# Altium PCB BGA_ACUity.PcbDoc (part 5 of 6)
Units mm, origin at the board's own origin, x right, y up, seen from the top; angles counter-clockwise.
Board outline 100 x 100.02 mm, 4 copper layers (TopSignal, Ground, Power, BottomSignal), stack 1.564 mm thick; 445 components, 325 nets, 2065 pads, 376 vias.
Unrouted connection lines stored in the file: 419.
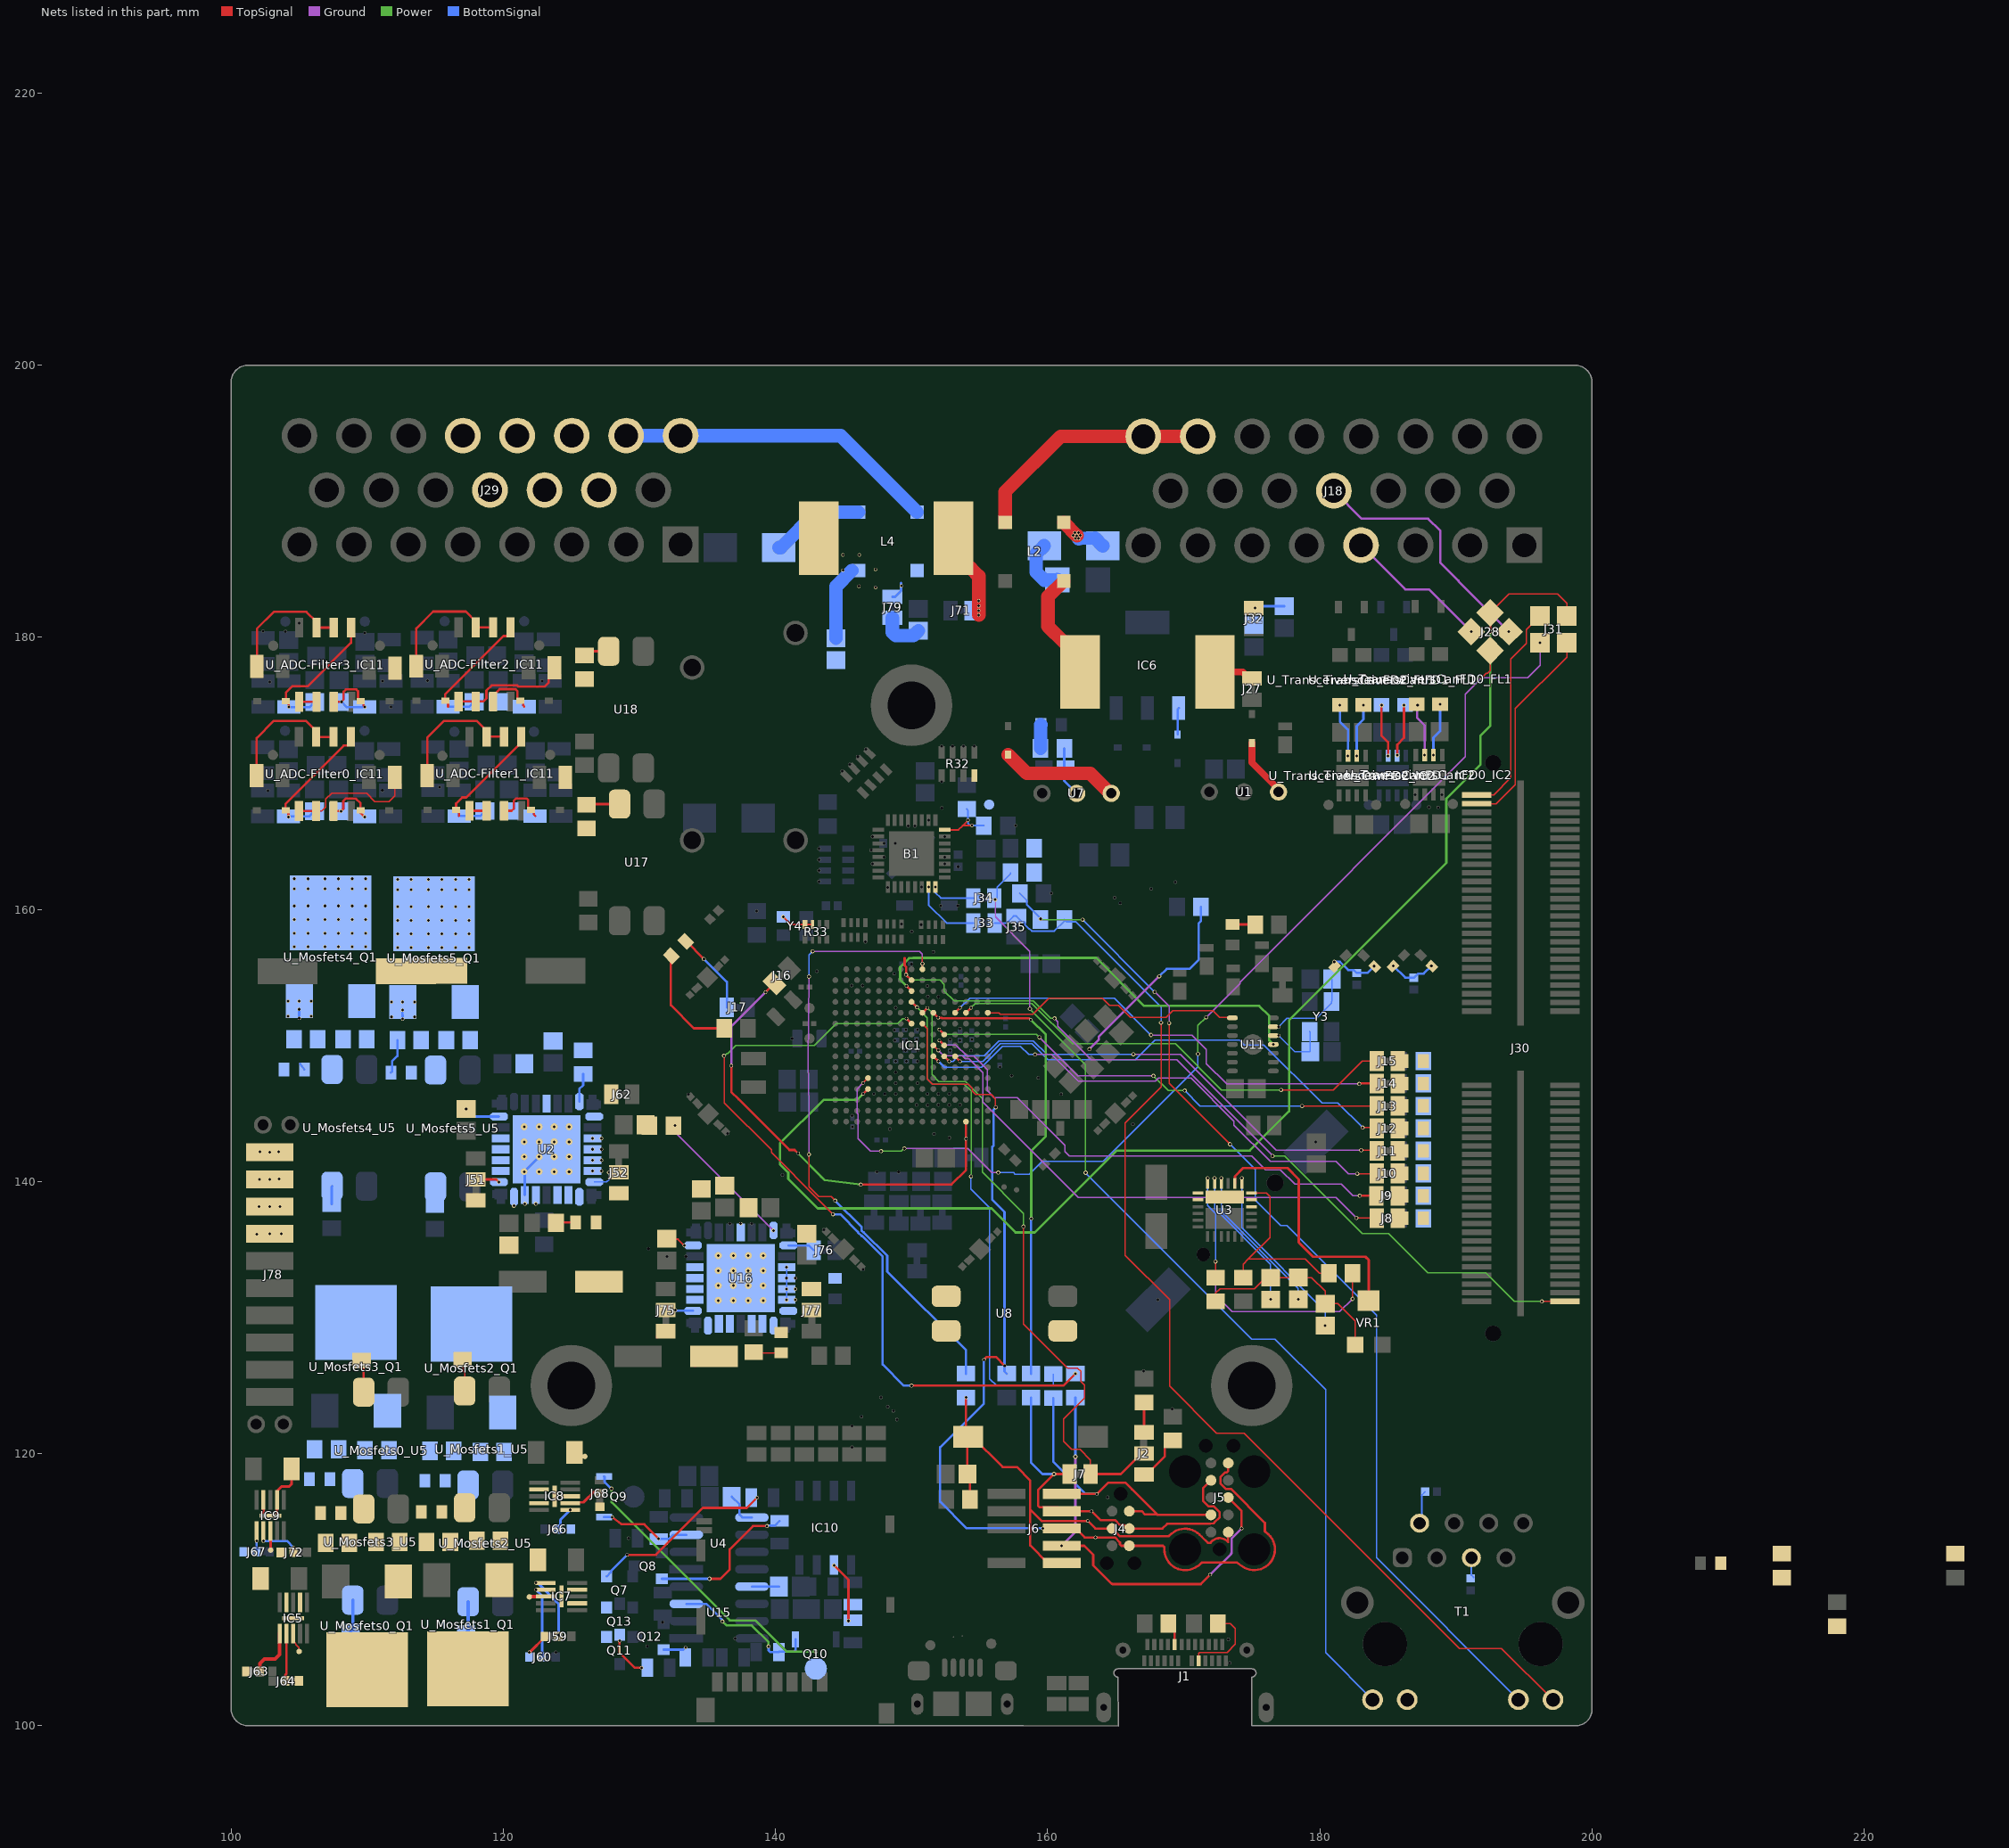
[diagram p7: the nets of this part, all layers, seen from the top]

## Via types
v1: diameter 0.3, hole 0.2, TopSignal to BottomSignal, tented both sides, 223 vias
v2: diameter 0.25/0.25/0.25/0.25 (per signal layer), hole 0.2, TopSignal to BottomSignal, tented both sides, 63 vias
v3: diameter 0.5, hole 0.2, TopSignal to BottomSignal, 32 vias
v4: diameter 0.5, hole 0.3, TopSignal to BottomSignal, 24 vias
v5: diameter 0.3, hole 0.2, TopSignal to BottomSignal, 15 vias
v6: diameter 0.3/0.3/0.3/0.3 (per signal layer), hole 0.2, TopSignal to BottomSignal, tented both sides, 11 vias
v7: diameter 0.6, hole 0.3, TopSignal to BottomSignal, 8 vias

## Nets (pads, with @x,y where several pads share a name; then routed paths per layer and width w, separated by ;. In a path a pad name is that pad's centre, name@x,y a point inside that pad or via, vN(x,y) a via of type N, cw(c..) or ccw(c..) an arc to the next point about the centre after c; other vN are vias at no path point) (continued)
IRQ1: IC1.E15 U11.8 | length 19.5
  TopSignal w0.09: IC1.E15@155.6,152.4 156.413,152.4 156.523,152.289 158.917,152.289 160.091,153.463 164.021,153.463 164.544,152.939 165.208,152.939 166.081,152.066 168.705,152.066 169.186,152.548 172.152,152.548 172.635,152.065 173.535,152.065 U11.8@173.575,152.025
IRQ2: IC1.C8 pad.1@149.632,154.368 U11.4 | length 33.5
  TopSignal w0.171: pad.1@149.632,154.368 IC1.C8@150,154
  Power w0.171: pad.1@149.632,154.368 149.165,154.835 149.165,155.763 149.82,156.418 150.11,156.418 150.127,156.435 163.565,156.435 167.092,152.908 175.548,152.908 176.278,152.178 176.278,150.372 v5(176.575,150.075)
IRQ_NMI: IC1.B8 J30.02 | length 60.7
  TopSignal w0.09: v1(196.31,131.191) J30.02@197.993,131.191
  TopSignal w0.171: 149.49,156.427 149.49,155.876 149.6,155.766 v1(149.6,155.2) IC1.B8@150,154.8
  Ground w0.09: v1(160.51,151.986) 160.754,151.743 160.754,151.412 163.207,148.959 169.483,148.959 175.285,143.156 176.531,141.91 v1(176.531,141.876)
  Power w0.09: v1(149.6,155.2) 150,154.8 152.099,154.8 152.4,154.499 152.4,154 153.129,153.271 158.938,153.271 160.223,151.986 v1(160.51,151.986) ; v1(176.531,141.876) 177.431,141.876 183.134,136.172 185.063,136.172 187.936,133.299 191.332,133.299 191.336,133.296 191.696,133.296 191.7,133.299 192.189,133.299 194.297,131.191 v1(196.31,131.191)
JTAG_EXT_RST: IC1.A9 R7.1 | length 46.2
  TopSignal w0.09: v1(142.459,141.991) 142.459,139.629 143.082,139.006 143.192,138.896 144.089,138.896 v1(144.393,138.592) ; IC1.A9@150.8,155.6 v1(150.8,156) 150.8,156.5
  Ground w0.09: v1(142.459,141.991) 142.459,145.519 142.399,148.834 cw(c142.794,148.841) 142.399,148.844 v6(142.464,155.057) ; v6(142.732,156.915) 150.595,156.915 150.791,156.72 150.791,156.445 150.8,156.435 v1(150.8,156)
  BottomSignal w0.09: v6(142.464,155.057) 142.464,156.647 v6(142.732,156.915)
  BottomSignal w0.171: v1(144.393,138.592) 146.338,136.647 146.338,136.373 146.448,136.263 146.491,136.263 148.217,134.537 148.217,133.389 154,127.606 R7.1@154,125.875
JTAG_EXT_RST_NET_2: C1.2 J4.3 J5.10 J6.10 pad.1@154,124.125 pad.1@162.943,115.057 R5.1 R7.2 S1.1 | length 37.9
  TopSignal w0.171: pad.1@154,124.125 154,121.41 S1.1@154.16,121.25 ; R5.1@154.291,116.637 154.291,118.314 C1.2@154.105,118.5 154.105,121.195 S1.1@154.16,121.25 ; J6.10@161.035,111.96 160.01,111.96 158.725,113.245 158.725,115.895 ; 171.924,113.438 cw(c171.863,113.598) 171.744,113.476 171.325,113.887 171.161,114.048 ccw(c170.095,112.96) 169.124,114.133 168.914,113.959 cw(c168.805,114.09) 168.805,113.92 165.31,113.92 J4.3@164.73,114.5 163.5,114.5 pad.1@162.943,115.057 159.563,115.057 158.725,115.895 ; 171.968,113.455 cw(c172.635,112.96) 173.268,113.498 173.27,113.5 J5.10@173.27,114.23 ; S1.1@154.16,121.25 154.45,121.25 156.682,119.018 157.732,119.018 158.725,118.025 158.725,115.895
JTAG_EXT_TCK: IC1.E10 pad.1@151.962,152.032 pad.1@158.795,137.278 R8.1 | length 34.3
  TopSignal w0.171: IC1.E10@151.6,152.4 151.594,152.4 151.977,152.017 152.218,152.017 152.234,152 158.626,152 158.731,151.894 v2(158.753,151.894)
  Power w0.171: v2(158.753,151.894) 159.86,150.787 159.86,143.325 158.795,142.26 pad.1@158.795,137.278
  BottomSignal w0.171: R8.1@158.786,125.875 158.786,137.247 pad.1@158.795,137.278
JTAG_EXT_TCK_NET_2: J4.4 J5.4 J6.04 J7.P1 pad.1@163.228,115.768 R8.2 | length 29.4
  TopSignal w0.171: J7.P1@161.598,118.5 v1(160.466,118.5) 159.309,117.343 159.309,116.155 159.409,116.055 160.75,116.055 J6.04@161.035,115.77 163.209,115.77 pad.1@163.228,115.768 163.23,115.77 163.887,115.113 164.938,115.113 165.31,114.74 165.635,114.74 ; J4.4@166,114.5 165.875,114.5 165.635,114.74 ; J5.4@172,118.04 171.42,117.46 171.42,116.53 171.814,116.135 172.186,116.135 172.643,115.678 172.643,115.322 172.24,114.92 172.213,114.893 171.937,114.838 168.772,114.838 168.434,114.5 166.285,114.5 166.044,114.74 166,114.74 165.899,114.639 165.736,114.639 165.635,114.74
  BottomSignal w0.171: R8.2@158.786,124.125 158.786,119.325 159.611,118.5 v1(160.466,118.5)
JTAG_EXT_TDI: IC1.F8 pad.1@149.632,151.968 R10.1 | length 58.1
  TopSignal w0.09: v1(136.221,149.236) 136.242,149.214 136.242,145.775 139.697,142.32 139.697,142.12 143.113,138.705 143.117,138.705 143.781,138.04 v1(144.229,137.593)
  TopSignal w0.171: pad.1@149.632,151.968 IC1.F8@150,151.6 ; v1(150,125) 161.161,125 v1(162.036,125.875)
  Power w0.09: v1(136.221,149.236) 136.265,149.236 136.444,149.415 136.508,149.415 137.094,150 142.85,150 144.452,151.603 148.984,151.603 149.348,151.968 pad.1@149.632,151.968
  BottomSignal w0.171: v1@144.218,137.571 144.798,137.571 146.066,136.303 146.066,136.26 146.335,135.991 146.378,135.991 147.877,134.492 147.877,126.546 149.424,125 v1(150,125)
JTAG_EXT_TDI_NET_2: J5.8 J6.08 pad.1@171.931,111.109 pad.1@174.25,114.5 R10.2 | length 31.2
  TopSignal w0.171: v1(161.035,113.23) 162.686,113.23 163.345,112.571 163.345,111.789 164.676,110.458 ; 164.677,110.458 ccw(c164.797,110.579) 164.796,110.408 171.247,110.408 171.931,111.092 pad.1@171.931,111.109 ; J5.8@173.27,116.77 174.25,115.79 pad.1@174.25,114.5
  Ground w0.171: v1(161.035,113.23) 162.039,114.234 v1(162.039,119.779) ; pad.1@171.931,111.109 ccw(c171.88,111.272) 172,111.151 173.463,112.613 ccw(c173.342,112.734) 173.513,112.734 173.513,113.763 pad.1@174.25,114.5
  BottomSignal w0.171: R10.2@162.036,124.125 162.036,119.782 v1(162.039,119.779)
JTAG_EXT_TMS: IC1.D8 R9.1 | length 37.1
  TopSignal w0.171: IC1.D8@150,153.2 v1@150.346,152.854
  Power w0.09: v1(150.396,152.804) 151.16,152.04 151.16,147.532 151.532,147.16 153.877,147.16 154.395,146.642 154.395,140.415 v1(154.36,140.381)
  BottomSignal w0.09: v1(154.36,140.381) 154.36,139.461 155.746,138.076 155.746,125.502 156.248,125 160.36,125 160.413,125.053 R9.1@160.413,125.842
JTAG_EXT_TMS_NET_2: J4.2 J5.2 J6.02 pad.1@163.624,117.04 R9.2 | length 23.5
  TopSignal w0.171: J6.02@161.035,117.04 pad.1@163.624,117.04 164.455,117.871 165.709,117.871 166.196,117.384 168.05,115.53 ; J4.2@166.102,115.968 166,115.866 J4.2@166,115.77 166.907,115.77 167.147,115.53 168.05,115.53 ; J5.2@172,115.5 168.08,115.5 168.05,115.53
  BottomSignal w0.171: R9.2@160.413,124.092 160.413,119.427 162.8,117.04 pad.1@163.624,117.04
JTAG_TDO: IC1.F9 J4.6 J5.6 J6.06 pad.1@163.517,113.843 R6.1 | length 80.9
  TopSignal w0.09: IC1.F9@150.8,151.6 151.16,151.24 151.16,147.532 151.532,147.16 154.149,147.16 154.44,146.868 154.44,146.651 154.704,146.388 155.861,146.388 156.169,146.079 156.169,145.475 v1(156.191,145.453)
  TopSignal w0.171: v2(155.318,126.899) 155.53,127.11 156.21,127.11 v2(156.845,126.476) ; J6.06@161.035,114.5 162.06,114.5 162.717,113.843 pad.1@163.517,113.843 164.938,113.843 165.31,113.47 165.31,113.33 165.41,113.23 J4.6@166,113.23 168.472,113.23 168.572,113.13 168.572,112.96 ccw(c170.095,112.96) 169.796,111.467 ; 168.793,112.17 ccw(c170.095,112.96) 169.796,111.467 ; J5.6@173.27,119.31 173.27,118.72 173.17,118.62 173.03,118.62 172.69,118.28 172.69,117.8 173.084,117.405 173.456,117.405 175.958,114.903 175.958,114.293 176.029,114.222 ; 176.071,114.195 cw(c175.176,112.961) 174.278,111.73 173.906,112 171.397,112 ccw(c171.397,111.829) 171.277,111.951 171.125,111.799 cw(c171.005,111.92) 171.098,111.777 170.972,111.696 cw(c170.095,113.054) 170.094,111.437 cw(c170.095,112.96) 169.796,111.467
  BottomSignal w0.171: v2(155.318,126.899) 155.318,123.684 152.105,120.471 152.105,116.456 154.048,114.514 v2(159.64,114.514) ; v1(156.191,145.453) 156.027,145.288 156.027,142.645 155.933,142.55 155.933,138.654 156.829,137.757 156.829,126.039 R6.1@156.993,125.875
LED0: IC1.H10 J8.P0 | length 39.1
  TopSignal w0.09: IC1.H10@151.6,150 151.604,150 151.962,149.642 v1(151.966,149.642) ; v1(182.683,137.321) 184.146,137.321 J8.P0@184.17,137.297
  Ground w0.09: v1(151.966,149.642) 152.372,149.236 153.723,149.236 153.954,149.005 154.234,149.005 155.239,148 155.239,145.832 162.245,138.826 181.177,138.826 v1(182.683,137.321)
LED0_GREEN: J33.P1 J35.P1 R38.1 T1.12 | length 84.1
  TopSignal w0.09: v1(168.329,151.671) 168.329,146.948 165.691,144.309 165.691,134.584 168.951,131.324 168.951,124.963 172.402,121.512 174.435,121.512 190.254,105.693 193.352,105.693 T1.12@197.125,101.92
  BottomSignal w0.09: 162.05,159.103 168.329,152.824 v1(168.329,151.671)
  BottomSignal w0.131: J33.P1@156.1,159 157,159 157.5,159.5 J35.P1@157.7,159.5 158.16,159.04 158.333,159.04 158.333,158.867 158.621,158.579 158.66,158.579 158.831,158.408 160.483,158.408 161.225,159.15 R38.1@161.225,159.25 161.372,159.103 162.05,159.103
LED1: IC1.H11 J9.P0 pad.1@152.032,150.368 | length 38.6
  TopSignal w0.171: pad.1@152.032,150.368 IC1.H11@152.4,150 ; v1@182.9,138.924 v1(182.925,138.948) J9.P0@184.157,138.948
  Ground w0.09: pad.1@152.032,150.368 152.363,150.037 152.996,150.037 153.002,150.043 153.243,150.043 154.089,149.197 154.586,149.197 155.561,148.222 155.561,146.688 156.074,146.174 157.775,146.174 161.283,142.666 161.283,142.204 161.609,141.879 175,141.879 176.019,140.86 177.098,140.86 178.158,139.8 181.586,139.8 182.438,138.948 v1(182.925,138.948)
LED1_YELLOW: J34.P1 R19.2 T1.9 | length 74
  Ground w0.09: v1@156.061,160.813 v1@156.061,160.741 ; v1(156.15,160.714) 156.123,160.741 v1@156.061,160.741 ; v1(158.695,152.684) 158.695,156.913 156.15,159.458 156.15,160.653 v1@156.061,160.741
  Power w0.09: v1(158.695,152.684) 162.789,148.59 162.789,146.688 v1(162.789,140.644)
  BottomSignal w0.09: v1(156.15,160.714) 156.301,160.865 156.301,161.632 157.269,162.6 R19.2@157.269,162.7 ; v1@162.789,140.661 v1(162.789,140.644) 162.789,140.627 175,128.416 176.699,128.416 180.421,124.694 180.421,105.374 T1.9@183.875,101.92
LED2: IC1.J10 J10.P0 pad.1@151.968,148.832 | length 37.8
  TopSignal w0.09: v1(182.752,140.572) 184.143,140.572 J10.P0@184.17,140.599
  TopSignal w0.171: IC1.J10@151.6,149.2 pad.1@151.968,148.832
  Ground w0.09: v1(159.072,149.339) 160.298,149.339 162.264,147.374 167.932,147.374 168.154,147.595 170.524,147.595 173.699,144.42 173.699,144.149 176.367,141.481 181.201,141.481 182.11,140.572 v1(182.752,140.572)
  BottomSignal w0.09: 152.544,148.4 155.128,148.4 156.669,149.941 158.001,149.941 158.603,149.339 v1(159.072,149.339)
  BottomSignal w0.171: pad.1@151.968,148.832 152.4,148.4 152.544,148.4
LED3: IC1.J11 J11.P1 pad.1@152.768,148.832 | length 35.9
  TopSignal w0.09: v5(183.033,142.302) 184.119,142.302 J11.P1@184.17,142.25
  TopSignal w0.171: IC1.J11@152.4,149.2 pad.1@152.768,148.832
  Ground w0.09: v5(166.295,149.354) 169.749,149.354 176.801,142.302 v5(183.033,142.302)
  BottomSignal w0.09: pad.1@152.768,148.832 153.045,148.832 153.173,148.96 153.173,148.996 153.404,149.227 153.44,149.227 153.45,149.237 155.324,149.237 156.087,150 156.411,150.324 158.955,150.324 159.941,149.338 164.543,149.338 164.559,149.354 v5(166.295,149.354)
LED4: IC1.J12 J12.P0 pad.1@153.568,148.832 | length 35.4
  TopSignal w0.09: v1(183.141,143.959) 184.112,143.959 J12.P0@184.17,143.901
  TopSignal w0.171: IC1.J12@153.2,149.2 pad.1@153.568,148.832
  BottomSignal w0.09: pad.1@153.568,148.832 155.232,148.832 156.533,150.133 158.838,150.133 160.012,148.959 166.459,148.959 167.883,150.383 174.099,150.383 174.436,150.047 175.887,150.047 180.157,145.777 181.324,145.777 v1(183.141,143.959)
LED5: IC1.G11 J13.P0 pad.1@152.032,151.168 | length 35
  TopSignal w0.09: v1(178.696,145.552) J13.P0@184.17,145.552
  TopSignal w0.171: pad.1@152.032,151.168 IC1.G11@152.4,150.8
  Ground w0.09: v1(159.401,150.599) 162.231,147.769 v1(167.769,147.769)
  Power w0.09: pad.1@152.032,151.168 152.373,150.827 159.173,150.827 v1(159.401,150.599) ; v1(167.769,147.769) 168.857,146.681 v1(170.07,146.681)
  BottomSignal w0.09: v1(170.07,146.681) 171.199,145.552 v1(178.696,145.552)
LED6: IC1.E12 J14.P0 pad.1@153.568,152.768 | length 34.7
  TopSignal w0.171: IC1.E12@153.2,152.4 pad.1@153.568,152.768 ; v1(182.897,147.179) 182.922,147.203 J14.P0@184.17,147.203
  Ground w0.09: v1@167.574,150.766 v1(167.603,150.766) 170.605,150.766 171.654,149.717 171.654,148.67 173.145,147.179 v1(182.897,147.179)
  BottomSignal w0.09: pad.1@153.568,152.768 154.275,153.475 164.894,153.475 v1(167.603,150.766)
LED7: IC1.E13 J15.P0 pad.1@154.368,152.768 | length 34
  TopSignal w0.09: v5(177.152,146.732) 180.98,146.732 183.102,148.854 J15.P0@184.17,148.854
  TopSignal w0.171: IC1.E13@154,152.4 pad.1@154.368,152.768
  Power w0.09: pad.1@154.368,152.768 154.679,153.079 158.859,153.079 161.81,150.128 169.387,150.128 172.782,146.732 v5(177.152,146.732)
MOSFETS0: J29.18 U_Mosfets0_Q1.4
MOSFETS1: J29.10 U_Mosfets1_Q1.4
MOSFETS2: J29.19 U_Mosfets2_Q1.4
MOSFETS3: J29.11 U_Mosfets3_Q1.4
MOSFETS4: J29.20 pad.1@104.647,157.251 pad.1@104.647,158.251 pad.1@104.647,159.251 pad.1@104.647,160.251 pad.1@104.647,161.501 pad.1@104.647,162.251 pad.1@105.647,157.251 pad.1@105.647,158.251 pad.1@105.647,159.251 pad.1@105.647,160.251 pad.1@105.647,161.501 pad.1@105.647,162.251 pad.1@106.897,157.251 pad.1@106.897,158.251 pad.1@106.897,159.251 pad.1@106.897,160.251 pad.1@106.897,161.501 pad.1@106.897,162.251 pad.1@107.897,157.251 pad.1@107.897,158.251 pad.1@107.897,159.251 pad.1@107.897,160.251 pad.1@107.897,161.501 pad.1@107.897,162.251 pad.1@108.897,157.251 pad.1@108.897,158.251 pad.1@108.897,159.251 pad.1@108.897,160.251 pad.1@108.897,161.501 pad.1@108.897,162.251 pad.1@109.897,157.251 pad.1@109.897,158.251 pad.1@109.897,159.251 pad.1@109.897,160.251 pad.1@109.897,161.501 pad.1@109.897,162.251 U_Mosfets4_Q1.4
MOSFETS5: J29.12 pad.1@112.242,157.194 pad.1@112.242,158.194 pad.1@112.242,159.194 pad.1@112.242,160.194 pad.1@112.242,161.444 pad.1@112.242,162.194 pad.1@113.242,157.194 pad.1@113.242,158.194 pad.1@113.242,159.194 pad.1@113.242,160.194 pad.1@113.242,161.444 pad.1@113.242,162.194 pad.1@114.492,157.194 pad.1@114.492,158.194 pad.1@114.492,159.194 pad.1@114.492,160.194 pad.1@114.492,161.444 pad.1@114.492,162.194 pad.1@115.492,157.194 pad.1@115.492,158.194 pad.1@115.492,159.194 pad.1@115.492,160.194 pad.1@115.492,161.444 pad.1@115.492,162.194 pad.1@116.492,157.194 pad.1@116.492,158.194 pad.1@116.492,159.194 pad.1@116.492,160.194 pad.1@116.492,161.444 pad.1@116.492,162.194 pad.1@117.492,157.194 pad.1@117.492,158.194 pad.1@117.492,159.194 pad.1@117.492,160.194 pad.1@117.492,161.444 pad.1@117.492,162.194 U_Mosfets5_Q1.4
NetB1_8: B1.8 pad.1@154.15,166.55 pad.1@154.43,166.158 R30.1 R31.2 | length 5.7
  TopSignal w0.131: B1.8@152.45,165.85 153.45,165.85 153.758,166.158 ; pad.1@154.43,166.158 153.758,166.158 ; 153.758,166.158 pad.1@154.15,166.55 153.758,166.158
  BottomSignal w0.131: R30.1@154.05,167.375 154.15,167.275 pad.1@154.15,166.55 154.15,166.325 pad.1@154.318,166.157 ; pad.1@154.43,166.158 pad.1@154.318,166.157 ; R31.2@155.316,166.157 pad.1@154.43,166.158 pad.1@154.318,166.157
NetB1_31: B1.31 J33.P0 pad.1@151.25,161.65 | length 5.2
  BottomSignal w0.131: pad.1@151.25,161.65 151.25,160.325 152.575,159 J33.P0@154.55,159
NetB1_32: B1.32 J34.P0 pad.1@151.75,161.65 | length 3.4
  BottomSignal w0.09: pad.1@151.75,161.65 151.75,161.225 152.15,160.825
  BottomSignal w0.131: 152.15,160.825 J34.P0@154.525,160.825
NetC11_2: C11.2 L3.1 L4.3 pad.1@144.96,184.921 pad.1@144.96,186.046 pad.1@146.16,186.046 pad.1@146.135,183.746 pad.1@147.36,183.646 pad.1@147.36,184.987 | length 5.7
  TopSignal w1: L3.1@143.183,187 L3.1@143.183,187.274
  BottomSignal w1: C11.2@144.45,179.921 144.45,183.736 145.61,184.896
NetC19_2: C19.2 T1.2 | length 2.5
  BottomSignal w0.113: T1.2@187.325,114.89 187.492,115.057 187.492,116.957 C19.2@187.735,117.2
NetC20_2: C20.2 R23.1 R24.1 | length 3.5
  BottomSignal w0.171: v1(181.053,156.142) 181.48,156.142 182.075,155.546 182.487,155.546 C20.2@182.702,155.331 183.499,155.331 v1(183.996,155.829)
NetC21_2: C21.2 T1.5 | length 1.5
  BottomSignal w0.131: T1.5@191.135,112.35 191.135,111.08 C21.2@191.3,110.915
NetC22_2: C22.2 R21.1 R22.1 | length 3.5
  BottomSignal w0.171: v1(185.404,155.854) 186.275,154.983 186.92,154.983 187.22,155.283 187.625,155.283 v1(188.196,155.854)
NetC26_2: C26.2 L1.1 L2.3 | length 8.3
  TopSignal w1: L2.3@161.179,184.134 161.174,184.134 160.02,182.98 160.02,180.809 161.184,179.644 161.435,179.644 162.385,178.694 L1.1@162.385,177.444
NetC27_1: C27.1 J32.P1 | length 2.2
  BottomSignal w0.171: v1(175.238,182.138) 175.384,182.283 C27.1@177.394,182.283
NetC28_1: C28.1 J79.P1 | length 3.2
  BottomSignal w1: J79.P1@148.59,181.419 148.59,180.358 148.835,180.113 150.138,180.113 C28.1@150.499,180.474
NetC64_1: C64.1 U3.11 | length 10.6
  BottomSignal w0.09: v1(172.261,140.248) 172.261,138.029 176.385,133.904 v1(176.385,131.328)
NetC65_1: C65.1 U3.7 | length 13.4
  BottomSignal w0.09: v1(174.261,140.248) 174.261,136.587 180.391,130.456 v1(180.391,129.415)
NetC66_1: C66.1 U3.10 | length 11.2
  BottomSignal w0.09: v1(172.761,140.248) 172.761,137.8 178.414,132.146 v1(178.414,131.344)
NetC69_2: C69.2 U4.5 | length 2.6
  BottomSignal w0.171: C69.2@136.79,116.833 137.357,116.266 137.357,115.517 137.566,115.309 U4.5@138.271,115.309
NetC70_1: C70.1 U2.32 | length 2.6
  BottomSignal w0.191: v2(117.275,145.325) 117.833,144.767 U2.32@119.69,144.767
NetC77_2: C77.2 U15.5 | length 2
  BottomSignal w0.171: U15.5@138.271,110.229 C77.2@140.259,110.229
NetC82_1: C82.1 pad.1@133.3,135.3 U16.32 | length 1.5
  TopSignal w0.131: C82.1@132.025,135.8 132.07,135.755 132.845,135.755 pad.1@133.3,135.3
NetD1_A: D1.A J8.P1
NetD1_K: D1.K R11.1
NetD2_A: D2.A J9.P1
NetD2_K: D2.K R12.1
NetD3_A: D3.A J10.P1
NetD3_K: D3.K R13.1
NetD4_A: D4.A J11.P0
NetD4_K: D4.K R14.1
NetD5_A: D5.A J12.P1
NetD5_K: D5.K R15.1
NetD6_A: D6.A J13.P1
NetD6_K: D6.K R16.1
NetD7_A: D7.A J14.P1
NetD7_K: D7.K R17.1
NetD8_A: D8.A J15.P1
NetD8_K: D8.K R18.1
NetD10_1: D10.1 F1.2 | length 4
  BottomSignal w1: D10.1@159.75,186.715 159.731,186.715 159.156,186.14 159.156,184.787 159.742,184.201 160.679,184.201 F1.2@160.704,184.226